# Altium PCB V1_2.PcbDoc (part 1 of 3)
Units mm, origin at the board's own origin, x right, y up, seen from the top; angles counter-clockwise.
Board outline 100 x 60 mm, 4 copper layers (Component Side, GND Layer, Power Layer, Bottom Layer), stack 1.596 mm thick; 194 components, 123 nets, 871 pads, 789 vias.
Unrouted connection lines stored in the file: 3.
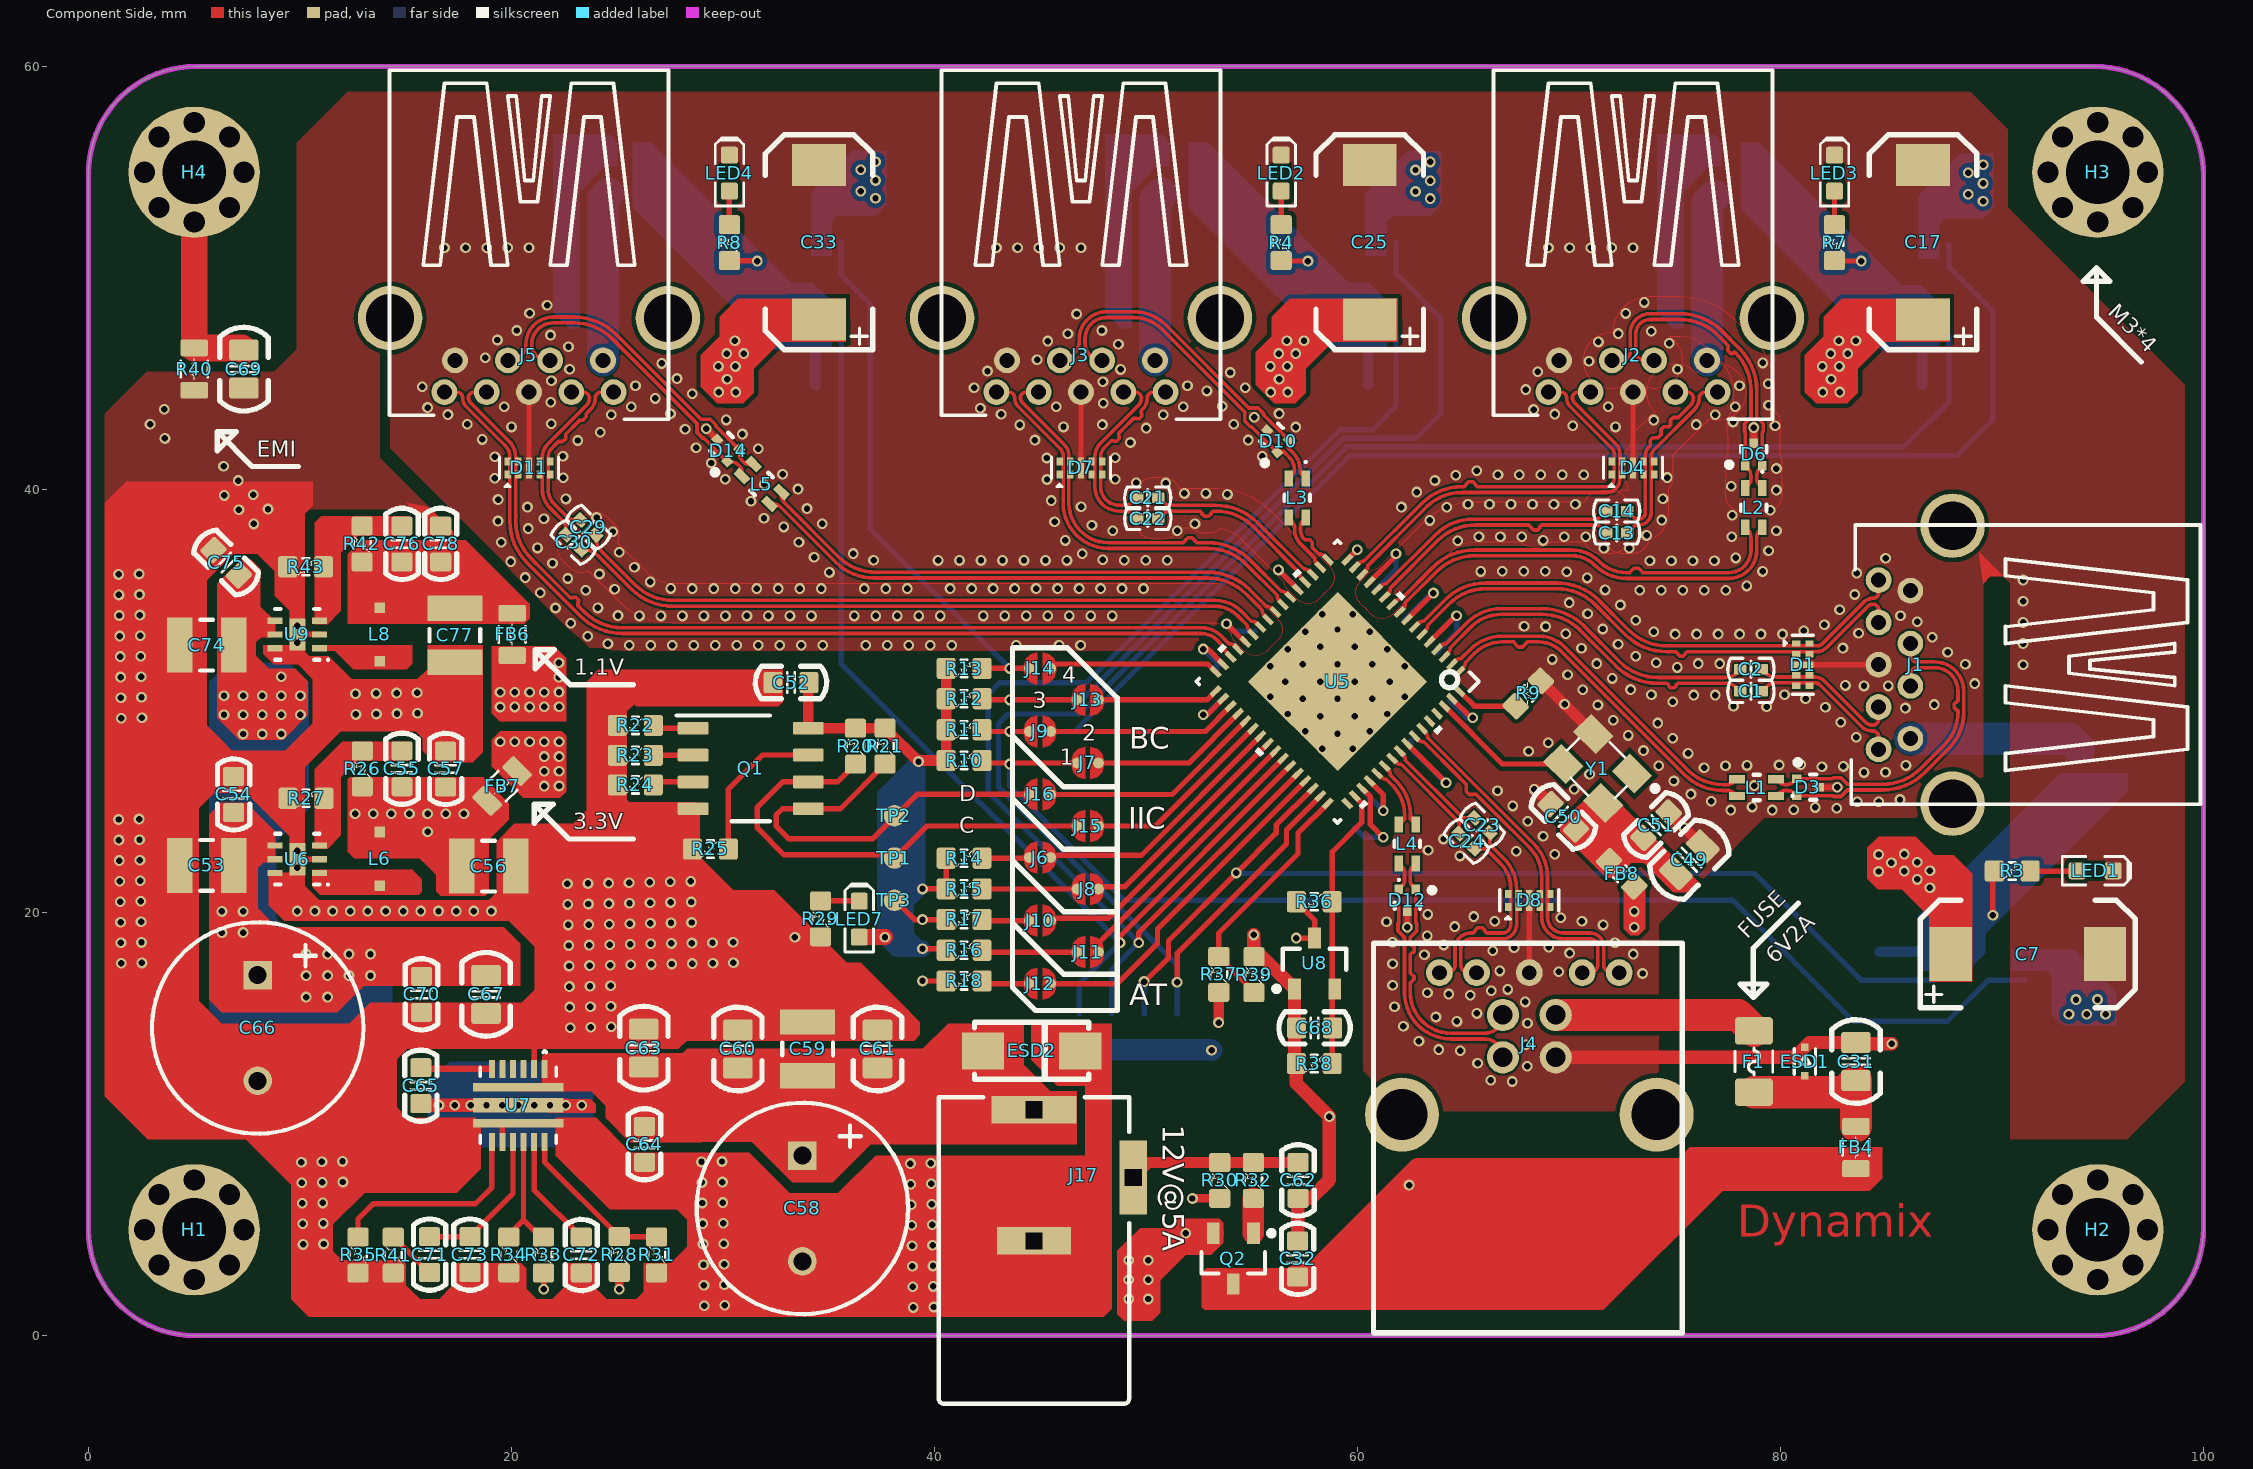
[diagram p0: Component Side view]
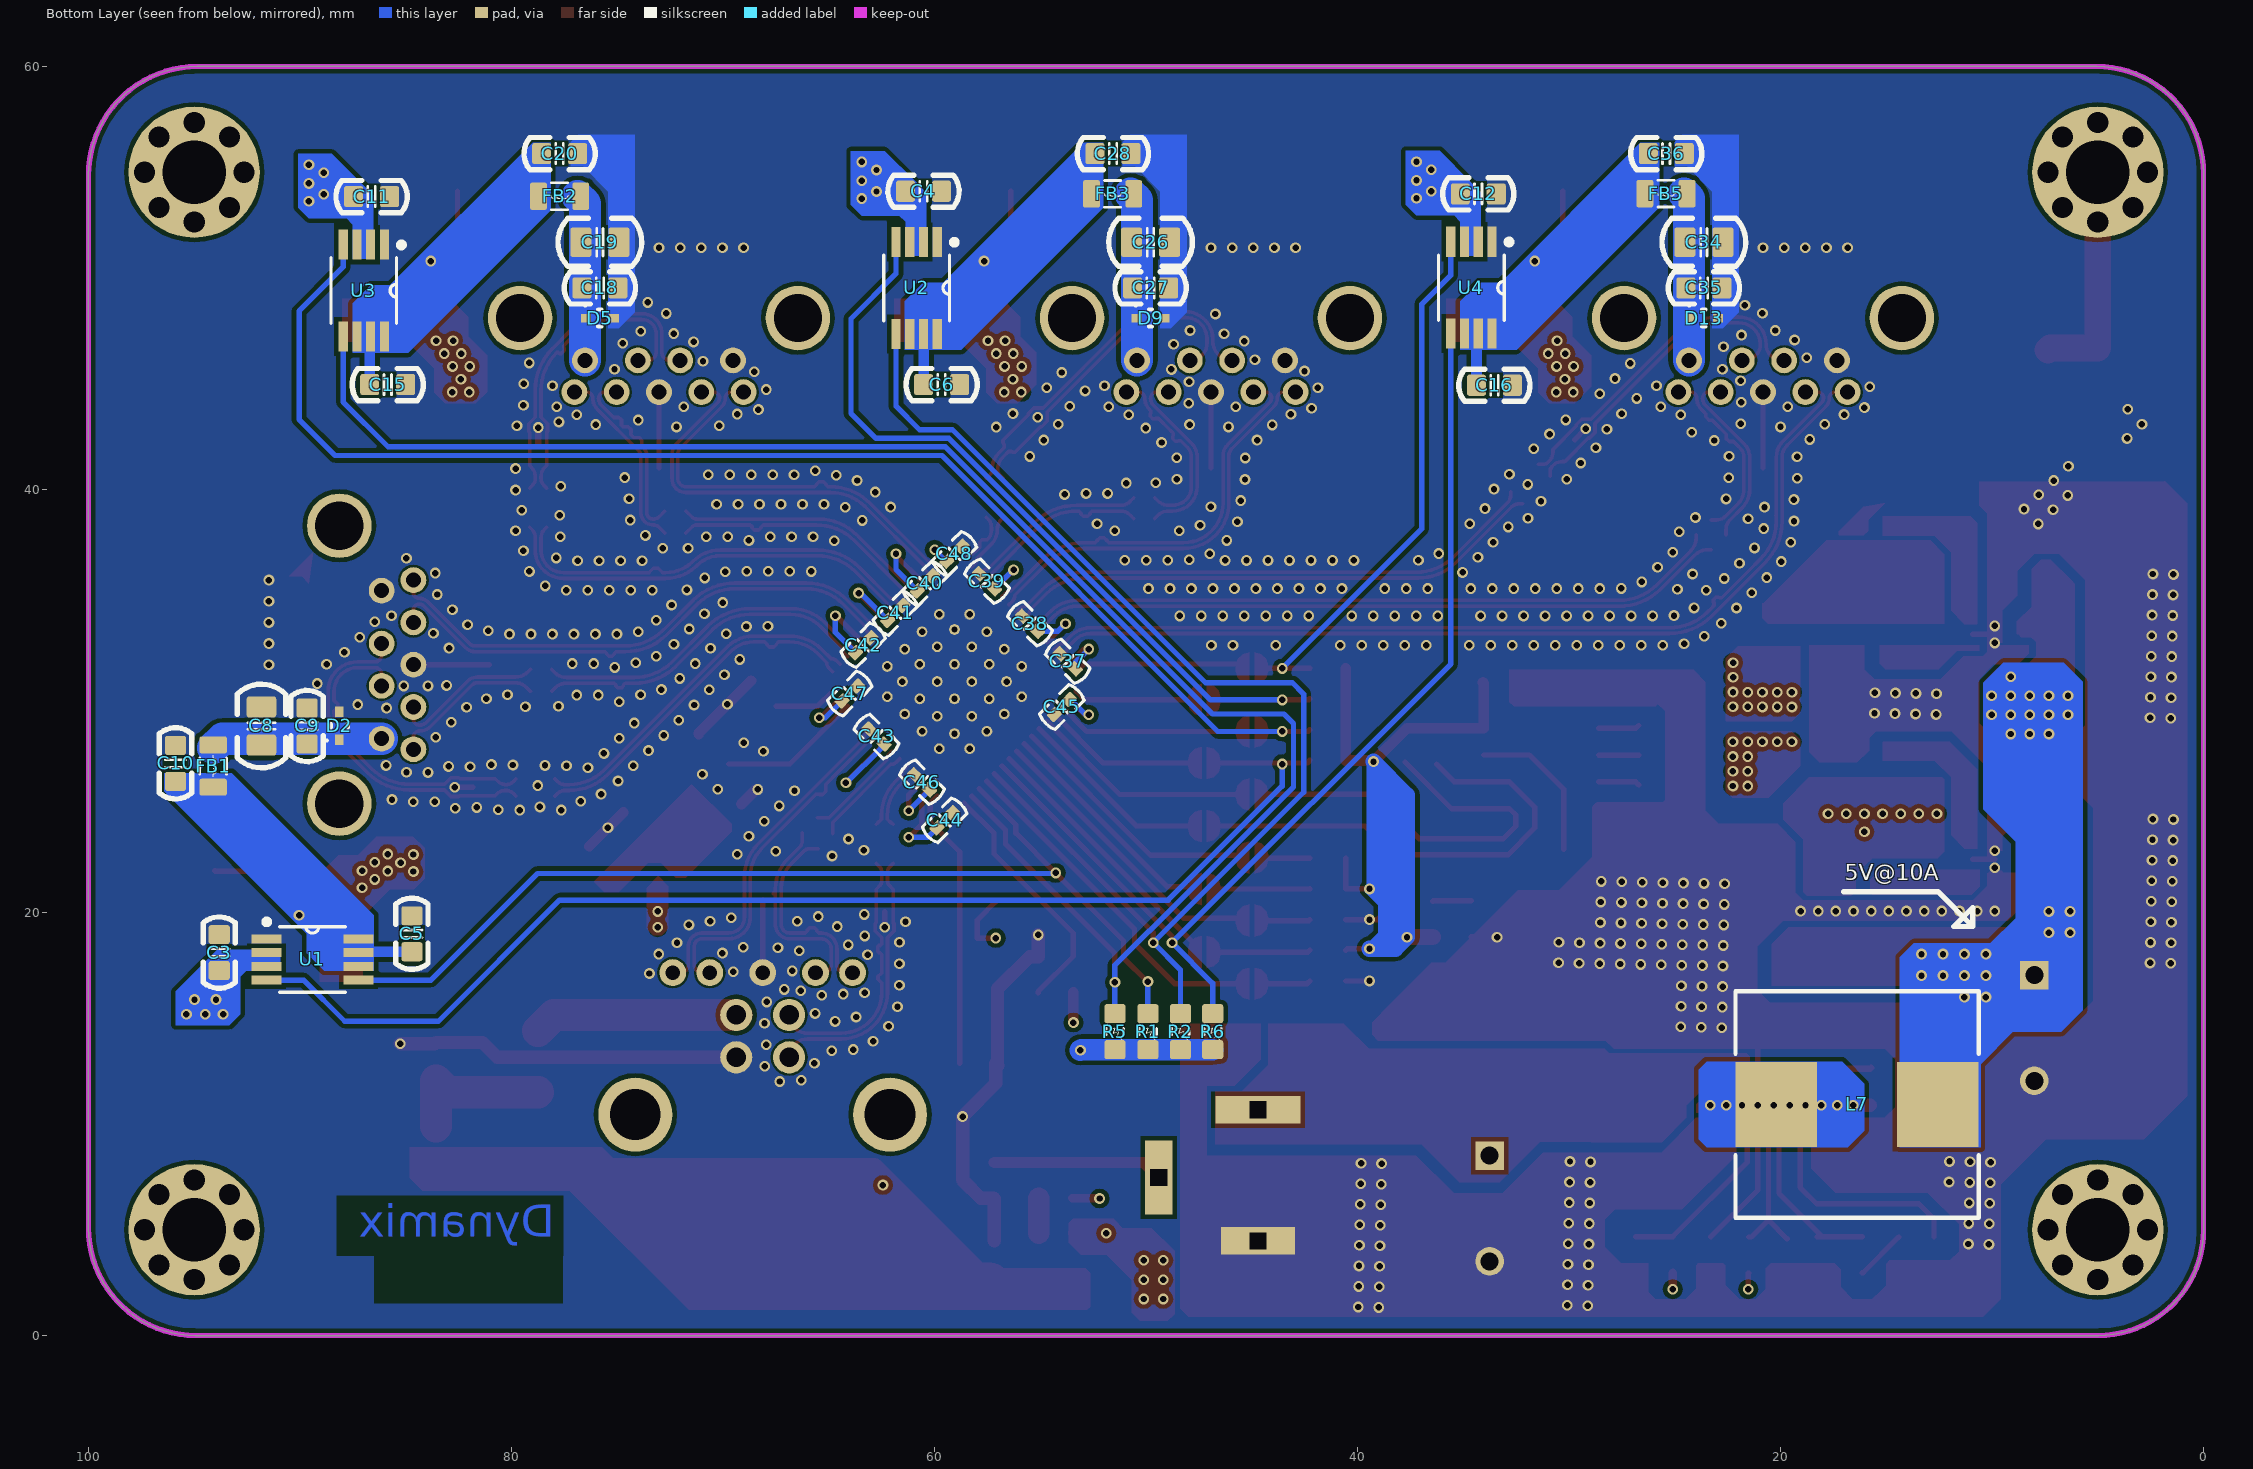
[diagram p1: Bottom Layer view, seen from below]
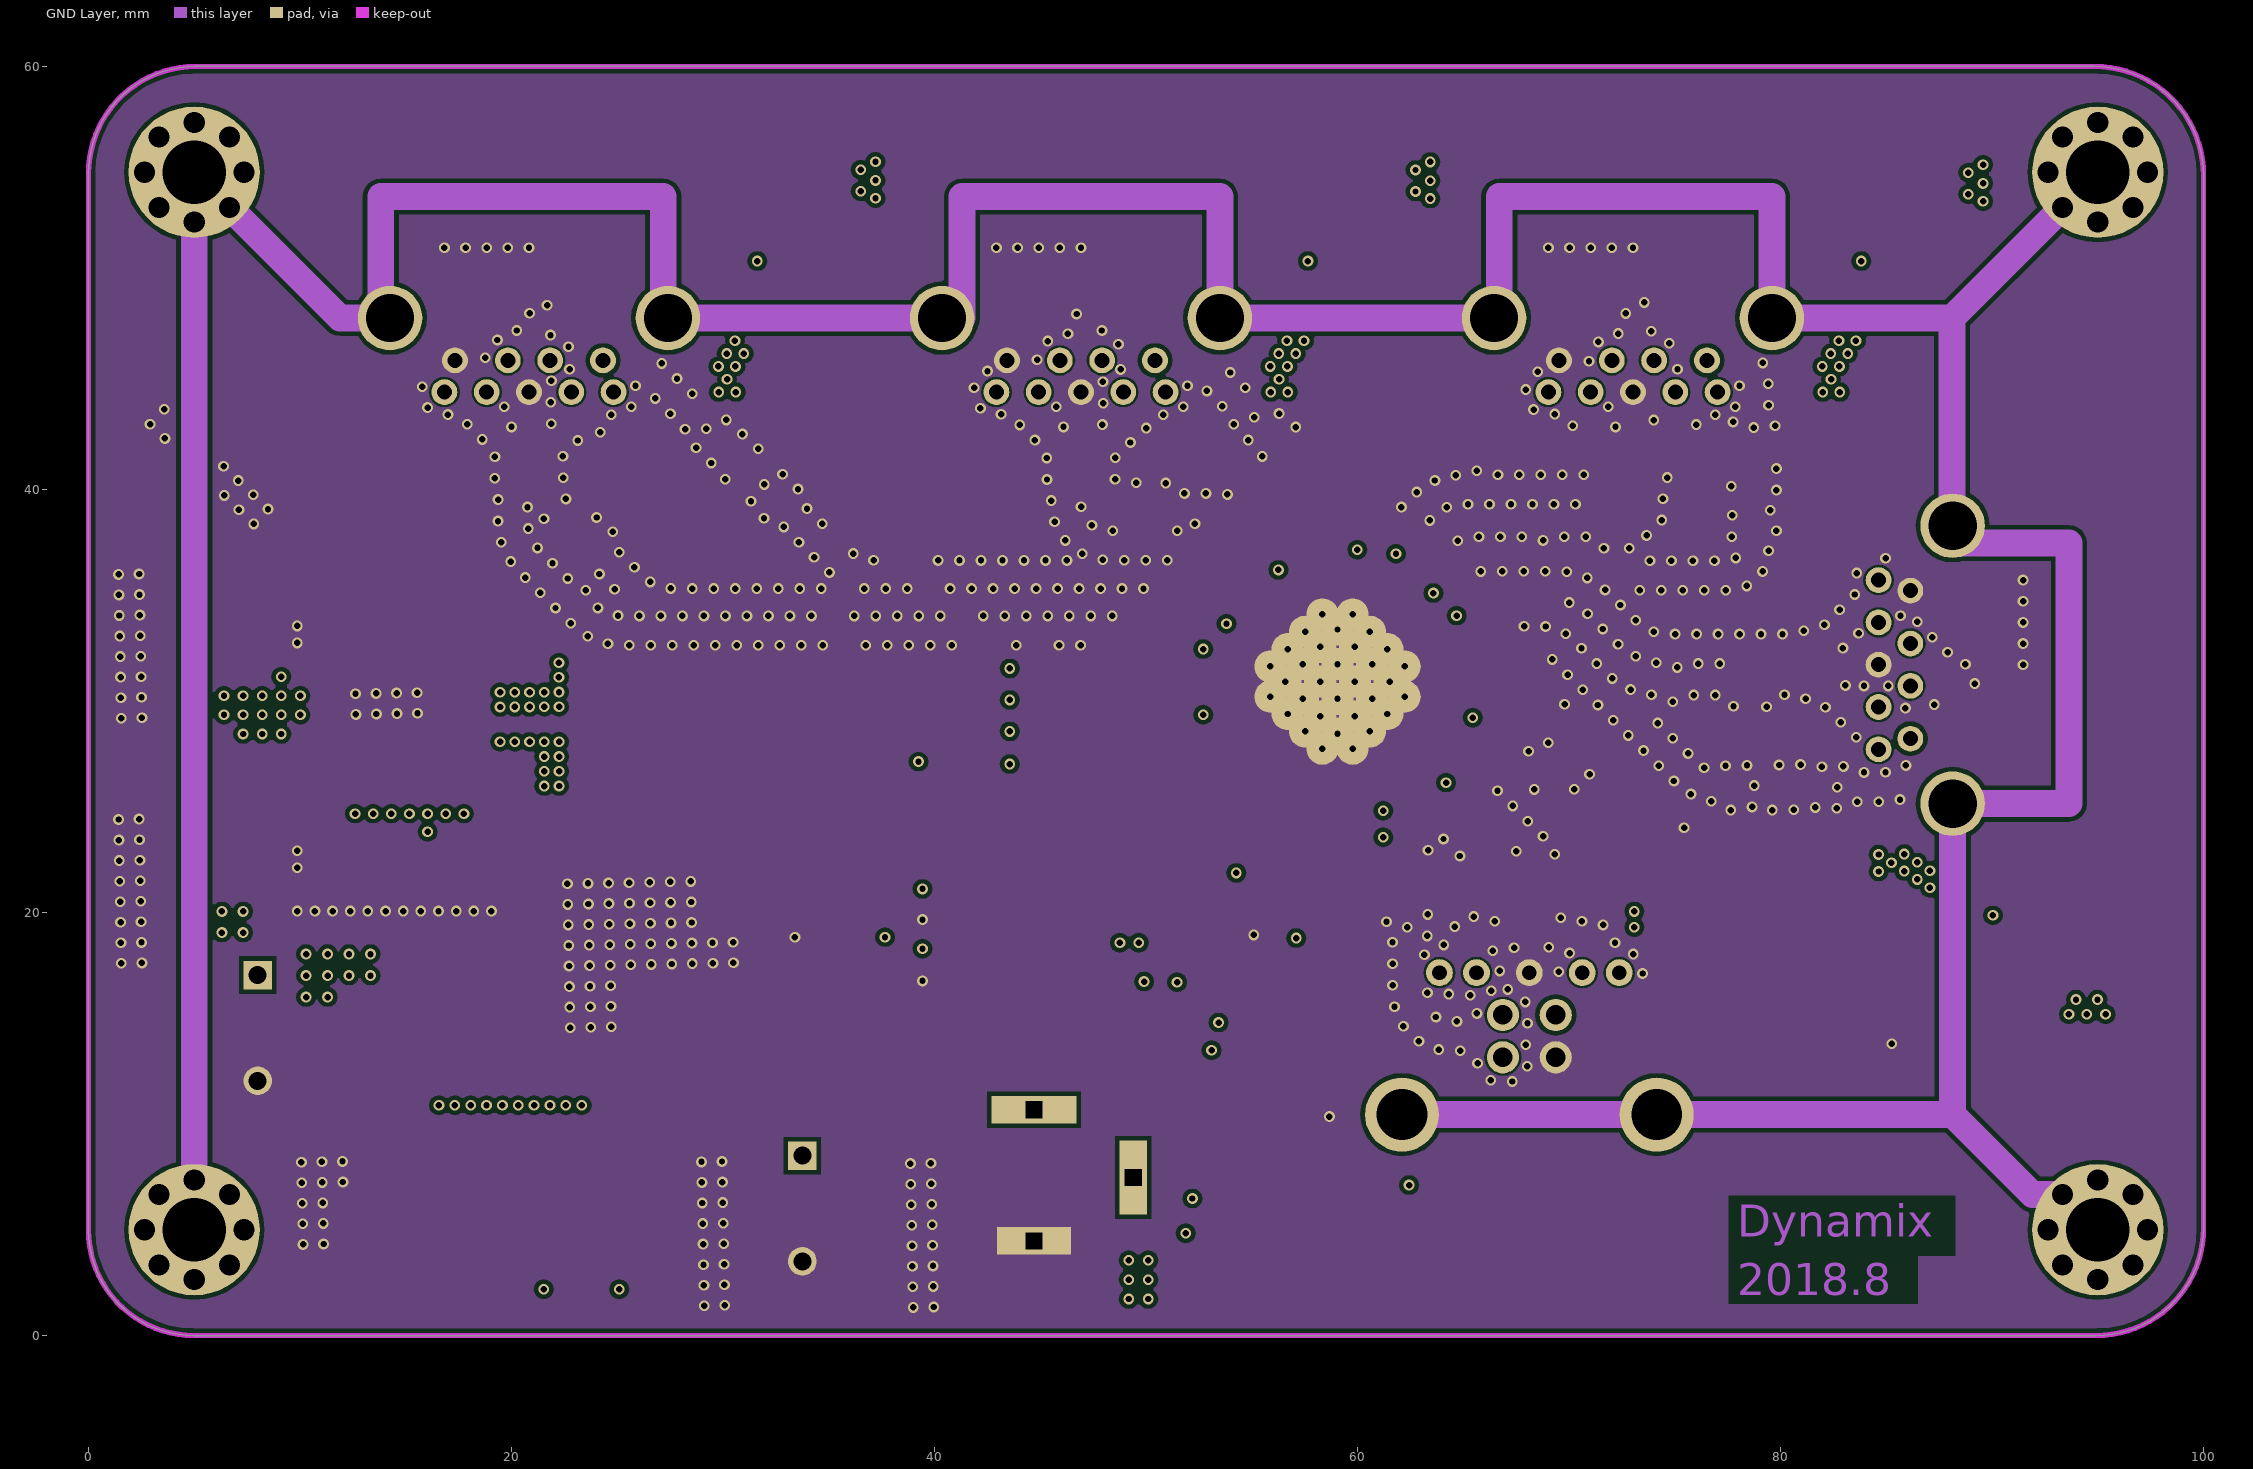
[diagram p2: GND Layer]
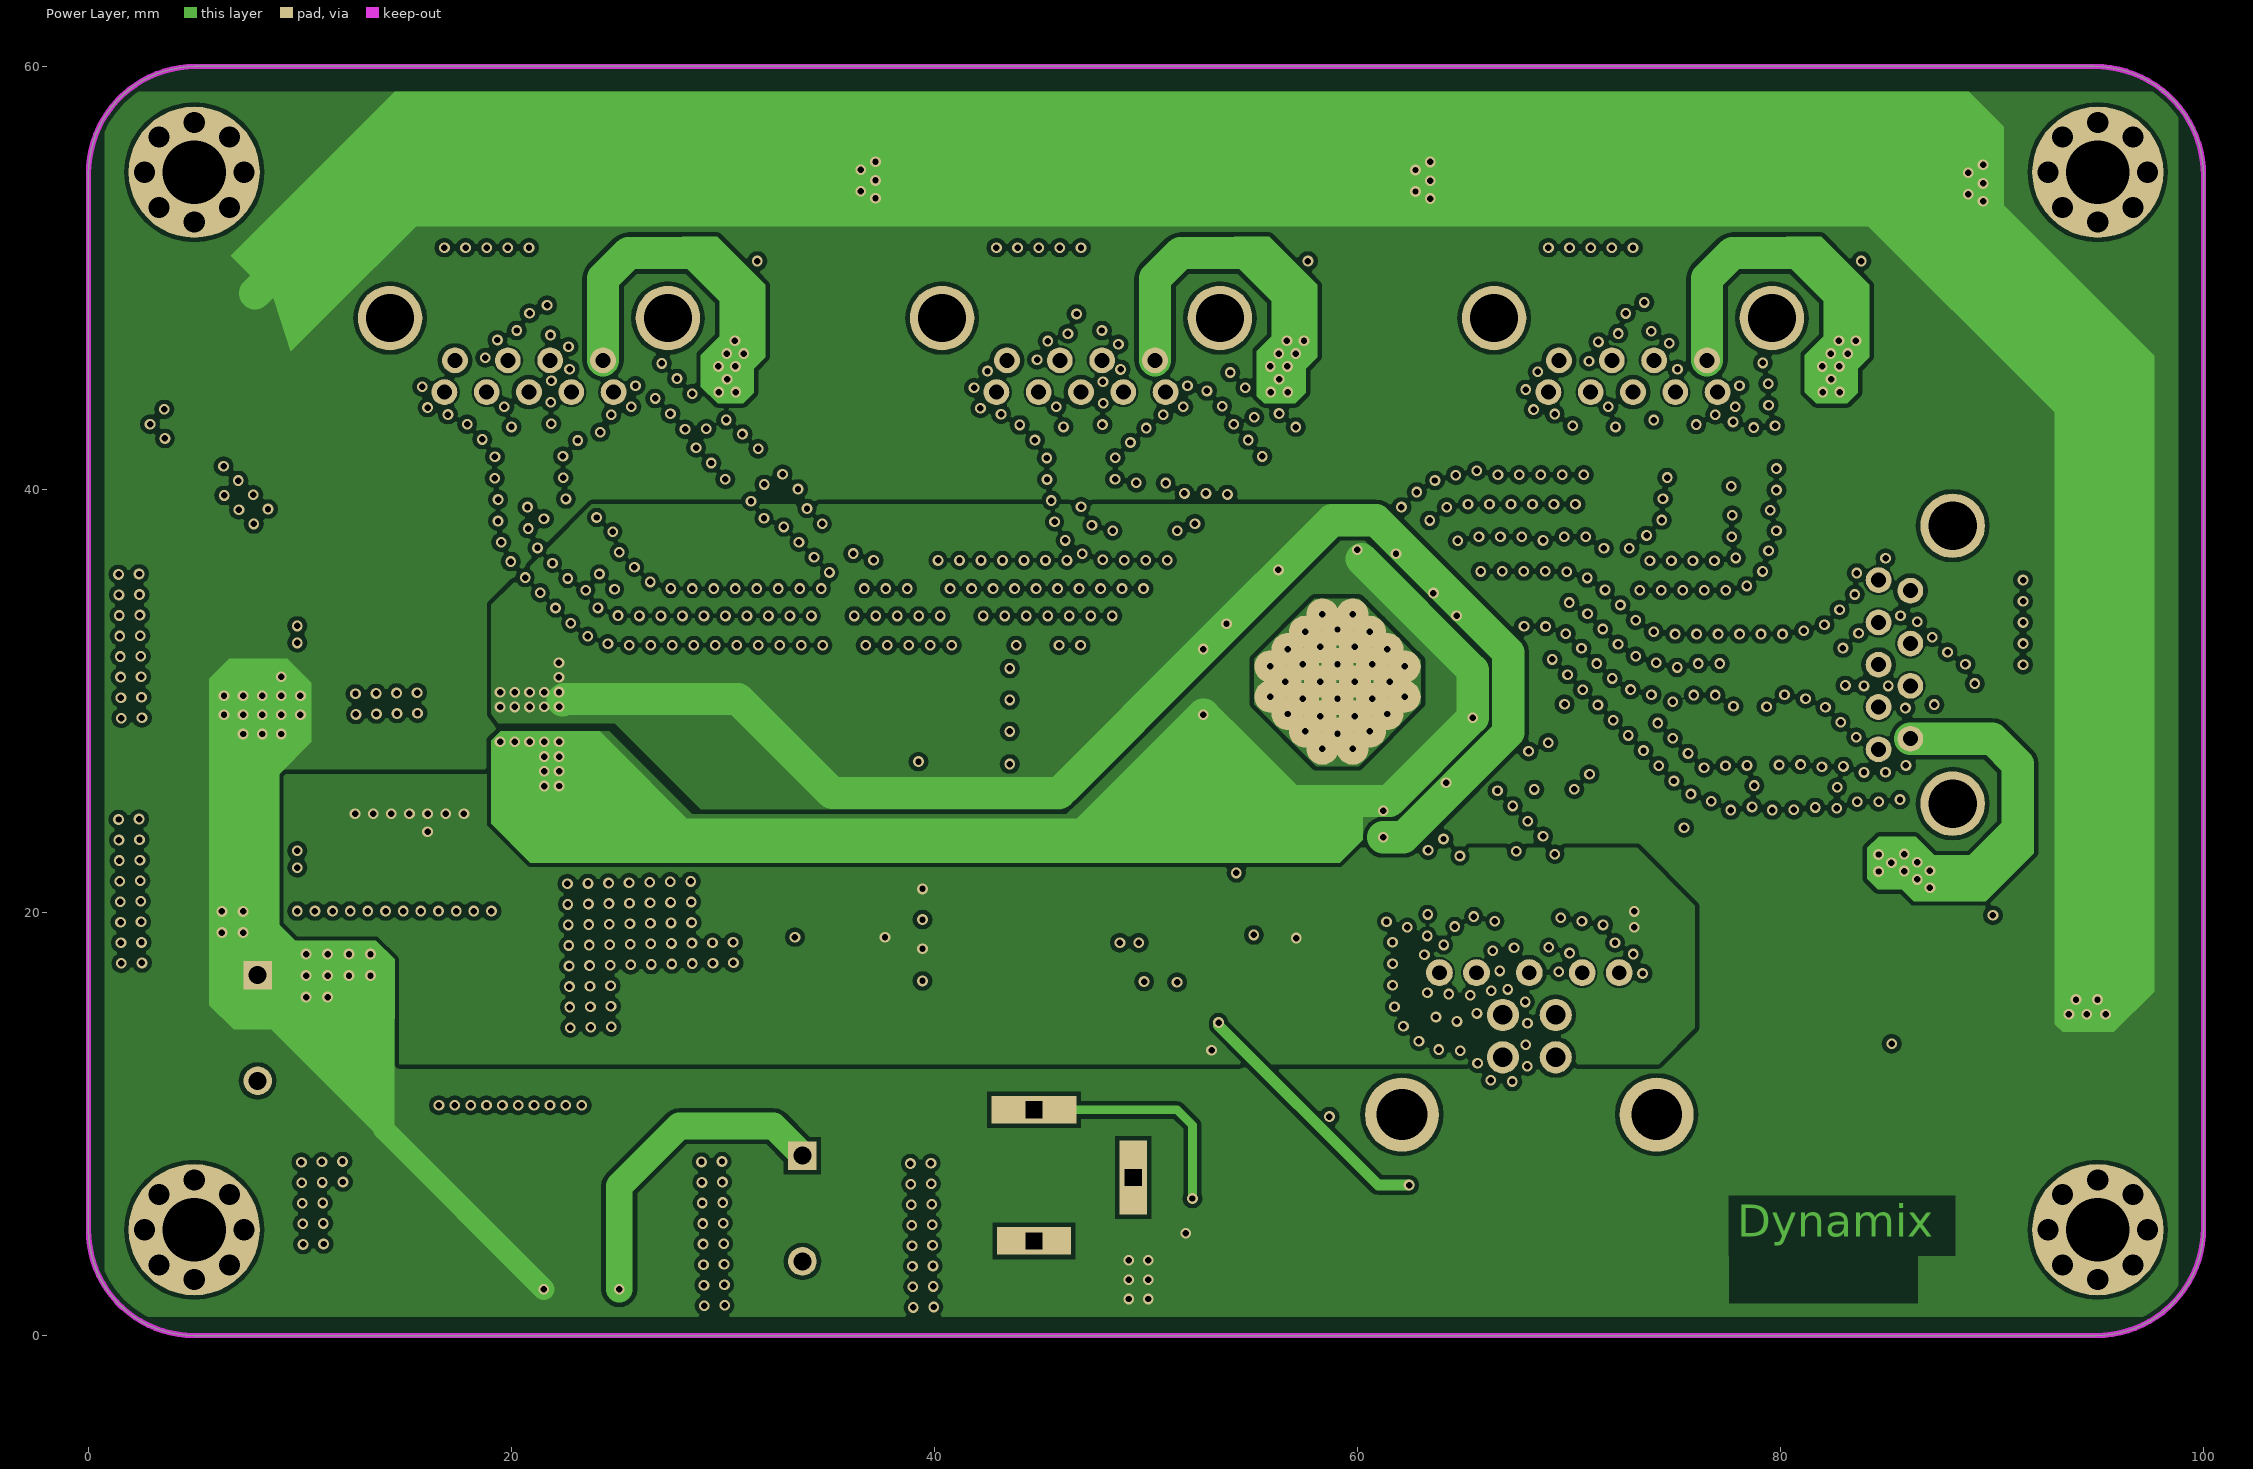
[diagram p3: Power Layer]
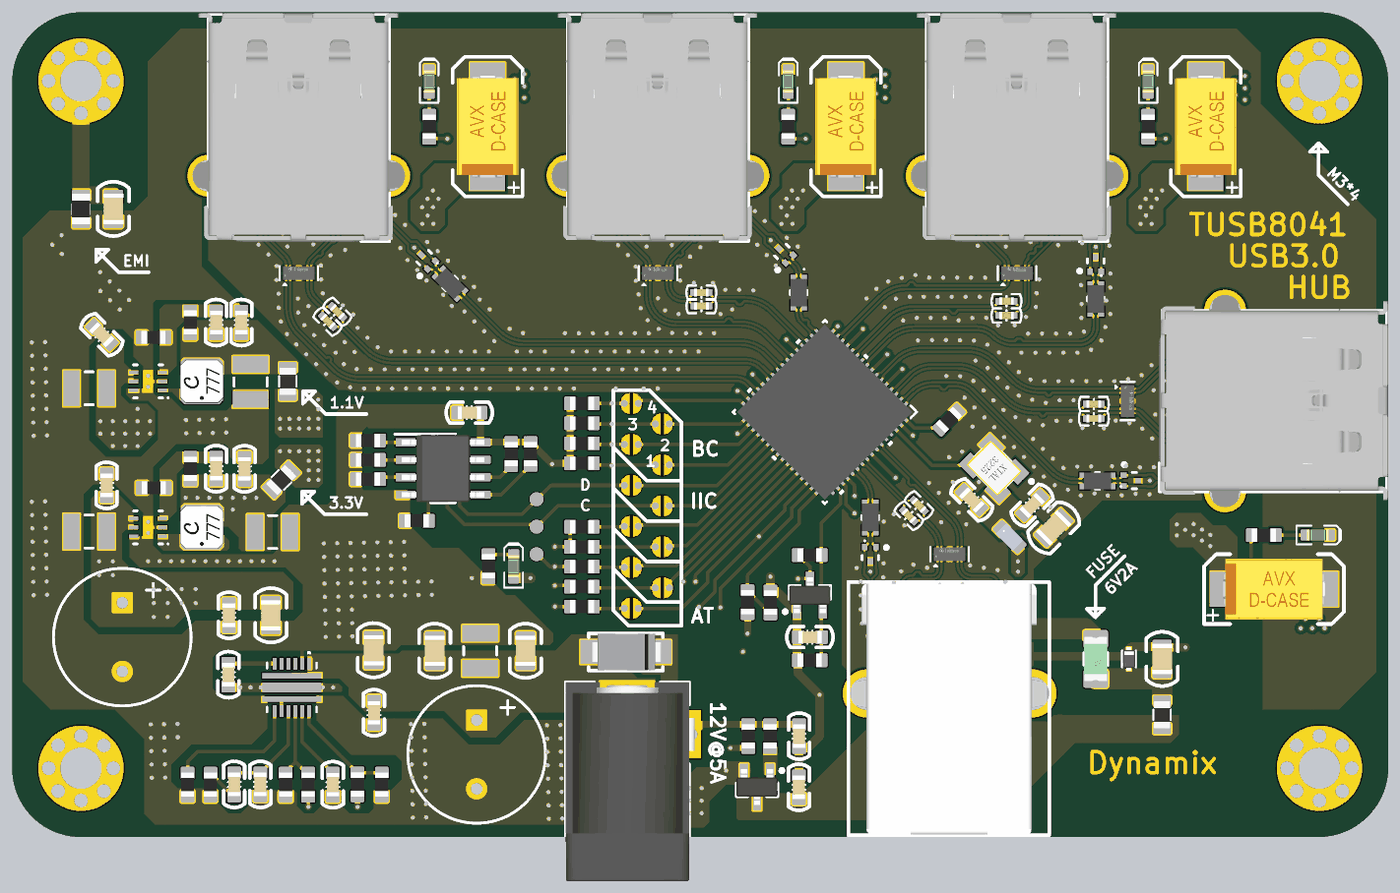
[diagram p6: 3D render of the assembled board from above, using the file's embedded part models]